# KiCad board PiEEG.kicad_pcb (continued)
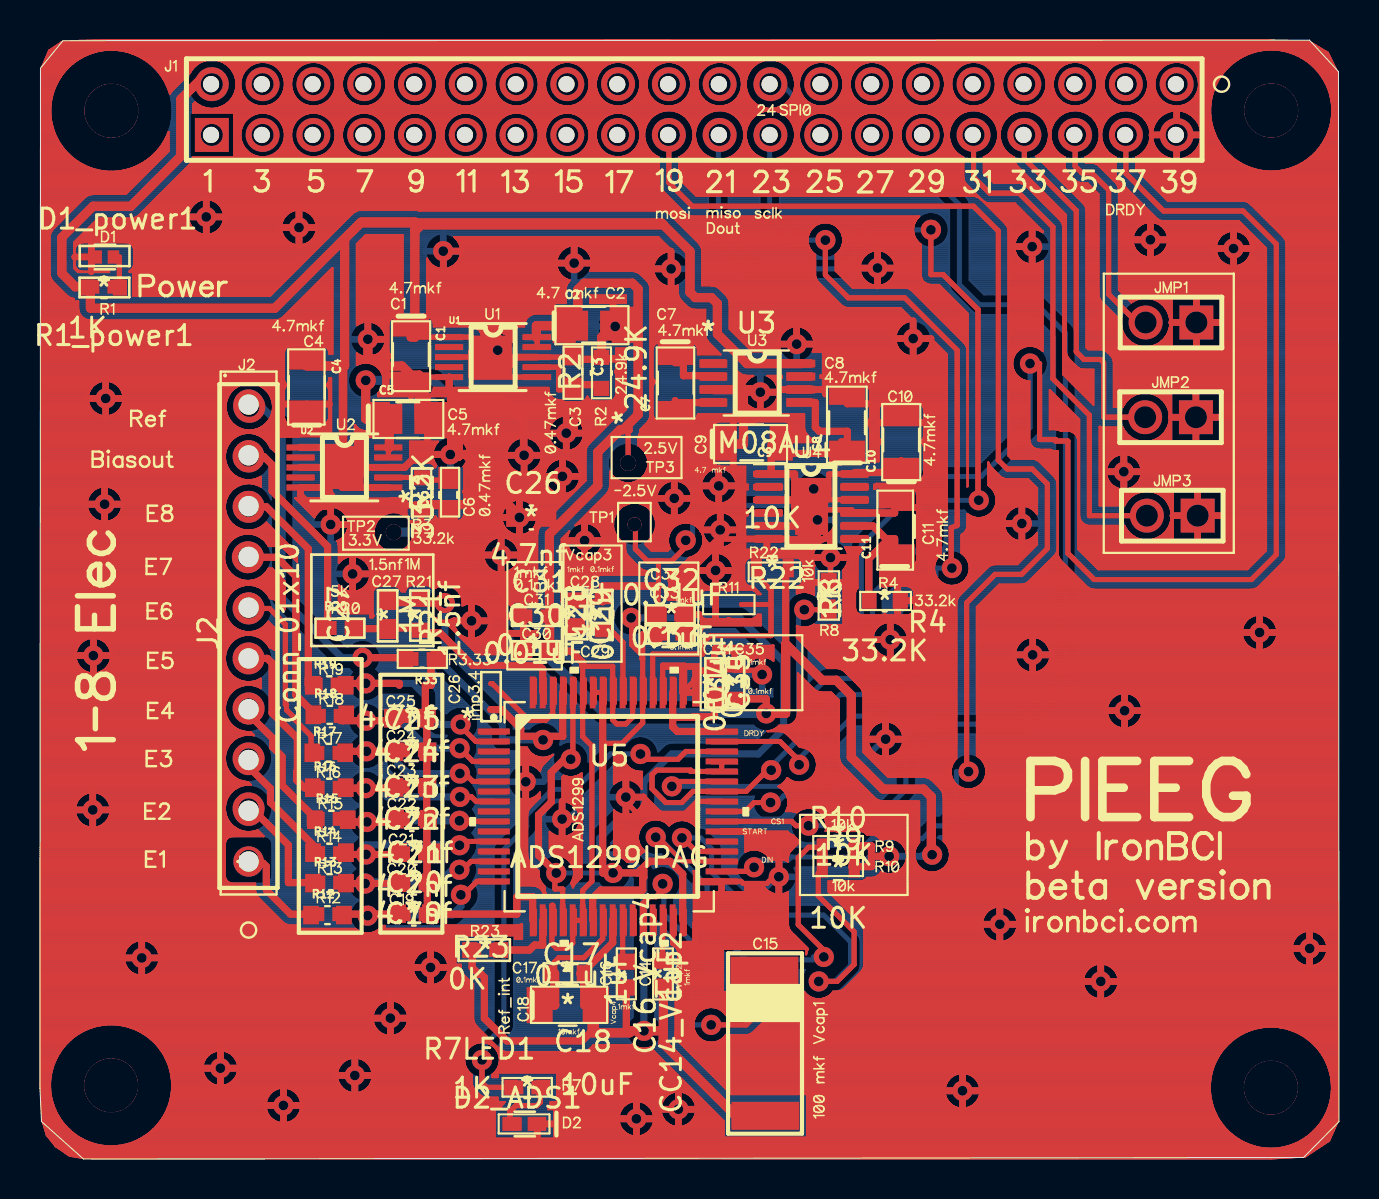
[diagram p0: board, top side]
## Routing (per net, layer and track width the routed paths; a pad name or vN(x,y) marks a point on that pad's centre or on a via; arc(x,y) is an arc through that point) (continued)
52.87,49.77 ; 35.51,30.09 35.57,30.1 ; 35.51,30.09 35.57,30.1 ; 35.51,30.09 35.46,30.07 ; 35.51,30.09 35.46,30.07 ; 35.57,30.1 35.7,30.1 ; 35.57,30.1 35.7,30.1 ; 19.96,31.95 19.92,31.97 ; 19.96,31.95 19.99,31.93 ; 19.96,31.95 19.99,31.93 ; 19.96,31.95 19.92,31.97 ; 19.92,31.97 19.89,32 ; 19.92,31.97 19.89,32 ; 34.24,27.01 33.32,27.01 ; 34.24,27.01 34.29,27.01 ; 34.24,27.01 34.29,27.01 ; 34.24,27.01 33.32,27.01 ; 33.32,27.01 33.28,27.02 ; 33.32,27.01 33.28,27.02 ; 31.04,45.25 31.1,45.29 ; 31.04,45.25 31.1,45.29 ; 31.04,45.25 30.99,45.21 ; 31.04,45.25 30.99,45.21 ; 31.1,45.29 31.16,45.33 ; 31.1,45.29 31.16,45.33 ; 17.57,40.16 17.56,40.18 ; 17.57,40.16 17.56,40.18 ; 17.57,40.16 17.55,40.15 ; 17.57,40.16 17.55,40.15 ; 17.56,40.18 17.52,40.22 ; 17.56,40.18 17.52,40.22 ; 29.57,52.13 29.65,52.07 ; 29.57,52.13 29.49,52.19 ; 29.57,52.13 29.65,52.07 ; 29.57,52.13 29.49,52.19 ; 29.65,52.07 29.72,52 ; 29.65,52.07 29.72,52 ; 2.33,41.99 2.29,42 ; 2.33,41.99 2.29,42 ; 2.33,41.99 2.38,41.97 ; 2.33,41.99 2.38,41.97 ; 2.29,42 2.25,42.02 ; 2.29,42 2.25,42.02 ; 29.84,2.9 29.91,2.9 ; 29.84,2.9 29.91,2.9 ; 29.84,2.9 29.77,2.9 ; 29.84,2.9 29.77,2.9 ; 29.91,2.9 29.98,2.89 ; 29.91,2.9 29.98,2.89 ; 52.43,54.67 52.51,54.61 ; 52.43,54.67 52.35,54.73 ; 52.43,54.67 52.35,54.73 ; 52.43,54.67 52.51,54.61 ; 52.51,54.61 52.58,54.54 ; 52.51,54.61 52.58,54.54 ; 41.41,20.94 41.4,21.01 ; 41.41,20.94 41.4,21.01 ; 41.41,20.94 41.41,20.87 ; 41.41,20.94 41.41,20.87 ; 41.4,21.01 41.41,21.08 ; 41.4,21.01 41.41,21.08 ; 30.64,38.62 30.65,38.68 ; 30.64,38.62 30.64,37.39 ; 30.64,38.62 30.65,38.68 ; 30.64,38.62 30.64,37.39 ; 30.65,38.68 30.67,38.74 ; 30.65,38.68 30.67,38.74 ; 43.62,27.31 43.59,27.28 ; 43.62,27.31 43.59,27.28 ; 43.62,27.31 43.65,27.34 ; 43.62,27.31 43.65,27.34 ; 43.59,27.28 43.56,27.26 ; 43.59,27.28 43.56,27.26 ; 3.51,33.61 3.58,33.58 ; 3.51,33.61 3.45,33.63 ; 3.51,33.61 3.58,33.58 ; 3.51,33.61 3.45,33.63 ; 3.58,33.58 3.64,33.55 ; 3.58,33.58 3.64,33.55 ; 33.9,43.62 33.94,43.59 ; 33.9,43.62 33.94,43.59 ; 33.9,43.62 33.86,43.64 ; 33.9,43.62 33.86,43.64 ; 33.94,43.59 33.98,43.56 ; 33.94,43.59 33.98,43.56 ; 23.2,29.34 23.13,29.33 ; 23.2,29.34 23.27,29.35 ; 23.2,29.34 23.13,29.33 ; 23.2,29.34 23.27,29.35 ; 23.13,29.33 23.06,29.33 ; 23.13,29.33 23.06,29.33 ; 52.65,53.08 52.58,53 ; 52.65,53.08 52.71,53.16 ; 52.65,53.08 52.58,53 ; 52.65,53.08 52.71,53.16 ; 52.58,53 52.51,52.94 ; 52.58,53 52.51,52.94 ; 1.96,42.33 1.94,42.38 ; 1.96,42.33 1.98,42.29 ; 1.96,42.33 1.98,42.29 ; 1.96,42.33 1.94,42.38 ; 1.94,42.38 1.93,42.42 ; 1.94,42.38 1.93,42.42 ; 26.13,17.9 26.2,17.9 ; 26.13,17.9 26.2,17.9 ; 26.13,17.9 26.13,19.11 ; 26.13,17.9 26.13,19.11 ; 26.2,17.9 26.27,17.89 ; 26.2,17.9 26.27,17.89 ; 39.56,31.38 39.51,31.33 ; 39.56,31.38 39.6,31.44 ; 39.56,31.38 39.6,31.44 ; 39.56,31.38 39.51,31.33 ; 39.51,31.33 39.45,31.29 ; 39.51,31.33 39.45,31.29 ; 41.34,14.03 41.29,13.99 ; 41.34,14.03 41.37,14.07 ; 41.34,14.03 41.37,14.07 ; 41.34,14.03 41.29,13.99 ; 41.29,13.99 41.25,13.95 ; 41.29,13.99 41.25,13.95 ; 33.45,32.16 33.51,32.2 ; 33.45,32.16 33.51,32.2 ; 55.55,51.13 55.53,51.03 ; 55.55,51.13 55.55,51.23 ; 55.55,51.13 55.53,51.03 ; 55.55,51.13 55.55,51.23 ; 55.53,51.03 55.51,50.94 ; 55.53,51.03 55.51,50.94 ; 54.78,31.1 54.69,31.15 ; 54.78,31.1 54.69,31.15 ; 54.78,31.1 54.87,31.06 ; 54.78,31.1 54.87,31.06 ; 54.69,31.15 54.61,31.21 ; 54.69,31.15 54.61,31.21 ; 44.15,43.94 44.13,43.98 ; 44.15,43.94 44.18,43.91 ; 44.15,43.94 44.18,43.91 ; 44.15,43.94 44.13,43.98 ; 44.13,43.98 44.11,44.01 ; 44.13,43.98 44.11,44.01 ; 45.59,19.63 45.6,19.68 ; 45.59,19.63 45.57,19.58 ; 45.59,19.63 45.57,19.58 ; 45.59,19.63 45.6,19.68 ; 45.6,19.68 45.62,19.72 ; 45.6,19.68 45.62,19.72 ; 64.08,1.83 63.99,1.71 ; 64.08,1.83 64.16,1.96 ; 64.08,1.83 63.99,1.71 ; 64.08,1.83 64.16,1.96 ; 63.99,1.71 63.89,1.59 ; 63.99,1.71 63.89,1.59 ; 31.58,32.17 31.51,32.19 ; 31.58,32.17 31.65,32.17 ; 31.58,32.17 31.51,32.19 ; 31.58,32.17 31.65,32.17 ; 31.51,32.19 31.44,32.21 ; 31.51,32.19 31.44,32.21 ; 3.53,17.46 3.53,17.46 ; 3.53,17.46 3.53,17.46 ; 3.53,17.46 3.53,17.53 ; 3.53,17.46 3.53,17.53 ; 3.53,17.46 3.53,17.39 ; 3.53,17.46 3.53,17.39 ; 24.41,34.34 24.34,34.33 ; 24.41,34.34 24.34,34.33 ; 24.41,34.34 24.48,34.36 ; 24.41,34.34 24.48,34.36 ; 24.34,34.33 24.27,34.32 ; 24.34,34.33 24.27,34.32 ; 45.02,18.55 45.05,18.52 ; 45.02,18.55 44.67,18.91 ; 45.02,18.55 44.67,18.91 ; 45.02,18.55 45.05,18.52 ; 45.05,18.52 45.08,18.48 ; 45.05,18.52 45.08,18.48 ; 36.33,25.11 36.4,25.09 ; 36.33,25.11 36.26,25.12 ; 36.33,25.11 36.4,25.09 ; 36.33,25.11 36.26,25.12 ; 36.4,25.09 36.47,25.06 ; 36.4,25.09 36.47,25.06 ; 34.8,33.39 34.77,33.33 ; 34.8,33.39 34.77,33.33 ; 34.8,33.39 34.82,33.46 ; 34.8,33.39 34.82,33.46 ; 34.77,33.33 34.74,33.26 ; 34.77,33.33 34.74,33.26 ; 34.01,30.31 34.07,30.29 ; 34.01,30.31 34.07,30.29 ; 25.03,19.48 25.04,19.52 ; 25.03,19.48 25.01,19.41 ; 25.03,19.48 25.04,19.52 ; 25.03,19.48 25.01,19.41 ; 25.04,19.52 25.05,19.56 ; 25.04,19.52 25.05,19.56 ; 16.79,50.28 16.7,50.23 ; 16.79,50.28 16.7,50.23 ; 16.7,50.23 16.61,50.19 ; 16.7,50.23 16.61,50.19 ; 13.17,47.47 13.24,47.45 ; 13.17,47.47 13.24,47.45 ; 13.17,47.47 13.1,47.48 ; 13.17,47.47 13.1,47.48 ; 13.24,47.45 13.3,47.42 ; 13.24,47.45 13.3,47.42 ; 42.56,20.15 42.5,20.14 ; 42.56,20.15 42.63,20.18 ; 42.56,20.15 42.5,20.14 ; 42.56,20.15 42.63,20.18 ; 42.5,20.14 42.43,20.12 ; 42.5,20.14 42.43,20.12 ; 49.42,38.91 49.37,38.92 ; 49.42,38.91 49.37,38.92 ; 49.42,38.91 49.49,38.91 ; 49.42,38.91 49.49,38.91 ; 49.37,38.92 49.32,38.93 ; 49.37,38.92 49.32,38.93 ; 22.91,4.57 22.89,4.52 ; 22.91,4.57 22.93,4.61 ; 22.91,4.57 22.93,4.61 ; 22.91,4.57 22.89,4.52 ; 22.89,4.52 22.87,4.48 ; 22.89,4.52 22.87,4.48 ; 10.7,33.78 10.8,33.75 ; 10.7,33.78 10.6,33.8 ; 10.7,33.78 10.6,33.8 ; 10.7,33.78 10.8,33.75 ; 10.8,33.75 10.89,33.72 ; 10.8,33.75 10.89,33.72 ; 27.48,28.57 27.49,28.57 ; 27.48,28.57 27.49,28.57 ; 27.48,28.57 27.44,28.61 ; 27.48,28.57 27.44,28.61 ; 27.49,28.57 27.54,28.62 ; 27.49,28.57 27.54,28.62 ; 44.06,44.16 44.06,44.2 ; 44.06,44.16 44.06,44.2 ; 44.06,44.16 44.07,44.12 ; 44.06,44.16 44.07,44.12 ; 44.06,44.2 44.05,44.29 ; 44.06,44.2 44.05,44.29 ; 15.17,4.86 15.23,4.91 ; 15.17,4.86 15.12,4.82 ; 15.17,4.86 15.23,4.91 ; 15.17,4.86 15.12,4.82 ; 42.53,26.87 42.6,26.87 ; 42.53,26.87 42.46,26.87 ; 42.53,26.87 42.6,26.87 ; 42.53,26.87 42.46,26.87 ; 42.6,26.87 42.67,26.86 ; 42.6,26.87 42.67,26.86 ; 58.57,52.96 58.6,53.11 ; 58.57,52.96 58.55,52.81 ; 58.57,52.96 58.55,52.81 ; 58.57,52.96 58.6,53.11 ; 58.6,53.11 58.64,53.25 ; 58.6,53.11 58.64,53.25 ; 54.08,35.27 54.15,35.27 ; 54.08,35.27 54.01,35.25 ; 54.08,35.27 54.15,35.27 ; 54.08,35.27 54.01,35.25 ; 54.15,35.27 54.22,35.28 ; 54.15,35.27 54.22,35.28 ; 4.03,55.46 4.18,55.44 ; 4.03,55.46 4.18,55.44 ; 4.03,55.46 3.88,55.48 ; 4.03,55.46 3.88,55.48 ; 4.18,55.44 4.32,55.4 ; 4.18,55.44 4.32,55.4 ; 56.38,31.48 56.32,31.4 ; 56.38,31.48 56.32,31.4 ; 4.56,9.34 4.5,9.39 ; 4.56,9.34 4.62,9.31 ; 4.56,9.34 4.62,9.31 ; 4.56,9.34 4.5,9.39 ; 4.5,9.39 4.45,9.44 ; 4.5,9.39 4.45,9.44 ; 50.58,50.91 50.56,51.01 ; 50.58,50.91 50.61,50.82 ; 50.58,50.91 50.56,51.01 ; 50.58,50.91 50.61,50.82 ; 50.56,51.01 50.55,51.11 ; 50.56,51.01 50.55,51.11 ; 41.54,14.07 41.37,14.07 ; 41.54,14.07 41.63,14.07 ; 41.54,14.07 41.37,14.07 ; 41.54,14.07 41.63,14.07 ; 29.91,33.94 29.66,33.84 ; 29.91,33.94 29.66,33.84 ; 29.66,33.84 29.6,33.82 ; 29.66,33.84 29.6,33.82 ; 32.99,29.05 32.96,29.11 ; 32.99,29.05 32.96,29.11 ; 32.99,29.05 33.03,28.99 ; 32.99,29.05 33.03,28.99 ; 32.96,29.11 32.94,29.18 ; 32.96,29.11 32.94,29.18 ; 34.73,50.24 34.65,50.19 ; 34.73,50.24 34.65,50.19 ; 34.73,50.24 34.81,50.31 ; 34.73,50.24 34.81,50.31 ; 34.65,50.19 34.56,50.14 ; 34.65,50.19 34.56,50.14 ; 31,52.38 31.1,52.41 ; 31,52.38 30.91,52.34 ; 31,52.38 31.1,52.41 ; 31,52.38 30.91,52.34 ; 31.1,52.41 31.19,52.44 ; 31.1,52.41 31.19,52.44 ; 49.87,32.26 49.87,33.56 ; 49.87,32.26 49.87,32.26 ; 49.87,32.26 49.87,32.26 ; 49.87,32.26 49.87,33.56 ; 49.87,33.56 49.42,34.01 ; 49.87,33.56 49.42,34.01 ; 16.29,36.42 16.25,36.42 ; 16.29,36.42 16.25,36.42 ; 16.29,36.42 16.44,36.42 ; 16.29,36.42 16.44,36.42 ; 16.25,36.42 16.2,36.42 ; 16.25,36.42 16.2,36.42 ; 51.61,36.39 51.65,36.38 ; 51.61,36.39 51.65,36.38 ; 51.61,36.39 51.57,36.41 ; 51.61,36.39 51.57,36.41 ; 51.65,36.38 51.68,36.36 ; 51.65,36.38 51.68,36.36 ; 43.79,31.59 43.83,31.55 ; 43.79,31.59 43.75,31.64 ; 43.79,31.59 43.75,31.64 ; 43.79,31.59 43.83,31.55 ; 43.83,31.55 43.85,31.49 ; 43.83,31.55 43.85,31.49 ; 31.8,3.37 31.87,3.38 ; 31.8,3.37 31.87,3.38 ; 31.8,3.37 31.73,3.36 ; 31.8,3.37 31.73,3.36 ; 31.87,3.38 31.94,3.38 ; 31.87,3.38 31.94,3.38 ; 2.05,45.86 2.09,45.86 ; 2.05,45.86 2.09,45.86 ; 2.05,45.86 2.01,45.85 ; 2.05,45.86 2.01,45.85 ; 2.09,45.86 2.17,45.86 ; 2.09,45.86 2.17,45.86 ; 14.14,32.54 14.21,32.57 ; 14.14,32.54 14.21,32.57 ; 14.14,32.54 14.08,32.51 ; 14.14,32.54 14.08,32.51 ; 14.21,32.57 14.27,32.6 ; 14.21,32.57 14.27,32.6 ; 15.89,47.46 15.94,47.47 ; 15.89,47.46 15.85,47.44 ; 15.89,47.46 15.85,47.44 ; 15.89,47.46 15.94,47.47 ; 15.94,47.47 15.99,47.48 ; 15.94,47.47 15.99,47.48 ; 2.5,32.24 2.47,32.3 ; 2.5,32.24 2.47,32.3 ; 2.47,32.3 2.43,32.36 ; 2.47,32.3 2.43,32.36 ; 42.01,14.26 41.98,14.23 ; 42.01,14.26 41.98,14.23 ; 42.01,14.26 42.04,14.3 ; 42.01,14.26 42.04,14.3 ; 41.98,14.23 41.95,14.2 ; 41.98,14.23 41.95,14.2 ; 17.12,28.67 17.75,28.67 ; 17.12,28.67 17.75,28.67 ; 17.12,28.67 16.99,28.67 ; 17.12,28.67 16.99,28.67 ; 17.75,28.67 17.81,28.66 ; 17.75,28.67 17.81,28.66 ; 45.84,27.87 45.85,27.91 ; 45.84,27.87 45.84,27.83 ; 45.84,27.87 45.84,27.83 ; 45.84,27.87 45.85,27.91 ; 57.13,52.44 57.21,52.42 ; 57.13,52.44 57.21,52.42 ; 56.22,46.56 56.27,46.51 ; 56.22,46.56 56.27,46.51 ; 56.22,46.56 56.18,46.62 ; 56.22,46.56 56.18,46.62 ; 56.27,46.51 56.31,46.45 ; 56.27,46.51 56.31,46.45 ; 22.17,27.6 22.22,27.55 ; 22.17,27.6 22.12,27.64 ; 22.17,27.6 22.22,27.55 ; 22.17,27.6 22.12,27.64 ; 22.22,27.55 22.27,27.5 ; 22.22,27.55 22.27,27.5 ; 2.71,48.28 4.29,48.28 ; 2.71,48.28 4.29,48.28 ; 2.71,48.28 2.61,48.28 ; 2.71,48.28 2.61,48.28 ; 4.29,48.28 6.43,50.42 ; 4.29,48.28 6.43,50.42 ; 34.74,28.48 35.57,28.48 ; 34.74,28.48 34.61,28.48 ; 34.74,28.48 35.57,28.48 ; 34.74,28.48 34.61,28.48 ; 35.57,28.48 35.63,28.47 ; 35.57,28.48 35.63,28.47 ; 45.56,2.74 45.51,2.79 ; 45.56,2.74 45.61,2.7 ; 45.56,2.74 45.51,2.79 ; 45.56,2.74 45.61,2.7 ; 45.51,2.79 45.46,2.84 ; 45.51,2.79 45.46,2.84 ; 33.82,34.7 33.78,34.72 ; 33.82,34.7 33.85,34.68 ; 33.82,34.7 33.78,34.72 ; 33.82,34.7 33.85,34.68 ; 33.78,34.72 33.75,34.75 ; 33.78,34.72 33.75,34.75 ; 27.03,30.07 26.97,30.09 ; 27.03,30.07 26.97,30.09 ; 32.97,54.21 33.01,54.3 ; 32.97,54.21 32.94,54.12 ; 32.97,54.21 33.01,54.3 ; 32.97,54.21 32.94,54.12 ; 33.01,54.3 33.07,54.39 ; 33.01,54.3 33.07,54.39 ; 45.56,19.28 45.55,19.33 ; 45.56,19.28 45.57,19.23 ; 45.56,19.28 45.55,19.33 ; 45.56,19.28 45.57,19.23 ; 18.27,28.45 18.29,28.5 ; 18.27,28.45 18.25,28.4 ; 18.27,28.45 18.25,28.4 ; 18.27,28.45 18.29,28.5 ; 18.29,28.5 18.32,28.55 ; 18.29,28.5 18.32,28.55 ; 34.35,28.46 34.39,28.45 ; 34.35,28.46 34.39,28.45 ; 34.35,28.46 34.31,28.47 ; 34.35,28.46 34.31,28.47 ; 34.39,28.45 34.43,28.43 ; 34.39,28.45 34.43,28.43 ; 0.52,52.45 0.52,52.6 ; 0.52,52.45 0.52,52.6 ; 2.9,33.59 2.96,33.61 ; 2.9,33.59 2.96,33.61 ; 2.96,33.61 3.03,33.63 ; 2.96,33.61 3.03,33.63 ; 32.78,2.76 32.8,2.69 ; 32.78,2.76 32.8,2.69 ; 32.78,2.76 32.76,2.83 ; 32.78,2.76 32.76,2.83 ; 32.8,2.69 32.82,2.63 ; 32.8,2.69 32.82,2.63 ; 28.8,31.22 28.69,31.5 ; 28.8,31.22 28.69,31.5 ; 38,30.04 38.05,30 ; 38,30.04 38.05,30 ; 38,30.04 37.95,30.07 ; 38,30.04 37.95,30.07 ; 38.05,30 38.1,29.96 ; 38.05,30 38.1,29.96 ; 34.19,52.68 34.1,52.66 ; 34.19,52.68 34.1,52.66 ; 32.03,54.73 32.11,54.67 ; 32.03,54.73 31.94,54.78 ; 32.03,54.73 32.11,54.67 ; 32.03,54.73 31.94,54.78 ; 43.5,52.87 43.42,52.94 ; 43.5,52.87 43.58,52.82 ; 43.5,52.87 43.58,52.82 ; 43.5,52.87 43.42,52.94 ; 43.42,52.94 43.35,53 ; 43.42,52.94 43.35,53 ; 38.54,17.56 38.59,17.56 ; 38.54,17.56 38.59,17.56 ; 38.54,17.56 38.49,17.57 ; 38.54,17.56 38.49,17.57 ; 38.59,17.56 38.64,17.55 ; 38.59,17.56 38.64,17.55 ; 16.39,39.84 16.44,39.83 ; 16.39,39.84 16.44,39.83 ; 16.44,39.83 16.49,39.83 ; 16.44,39.83 16.49,39.83 ; 23.14,31.11 23.21,31.1 ; 23.14,31.11 23.07,31.11 ; 23.14,31.11 23.07,31.11 ; 23.14,31.11 23.21,31.1 ; 23.21,31.1 23.28,31.09 ; 23.21,31.1 23.28,31.09 ; 53.69,40 53.7,39.96 ; 53.69,40 53.67,40.04 ; 53.69,40 53.7,39.96 ; 53.69,40 53.67,40.04 ; 53.7,39.96 53.71,39.92 ; 53.7,39.96 53.71,39.92 ; 40.26,29.57 40.22,29.51 ; 40.26,29.57 40.22,29.51 ; 40.26,29.57 40.3,29.62 ; 40.26,29.57 40.3,29.62 ; 40.22,29.51 40.19,29.48 ; 40.22,29.51 40.19,29.48 ; 31.52,33.92 31.59,33.94 ; 31.52,33.92 31.46,33.9 ; 31.52,33.92 31.59,33.94 ; 31.52,33.92 31.46,33.9 ; 31.59,33.94 31.66,33.94 ; 31.59,33.94 31.66,33.94 ; 35.2,50.99 35.18,50.89 ; 35.2,50.99 35.22,51.08 ; 35.2,50.99 35.18,50.89 ; 35.2,50.99 35.22,51.08 ; 35.18,50.89 35.15,50.79 ; 35.18,50.89 35.15,50.79 ; 53.95,8.87 53.95,8.81 ; 53.95,8.87 53.95,8.89 ; 53.95,8.87 53.95,8.81 ; 53.95,8.87 53.95,8.89 ; 53.95,8.81 53.94,8.74 ; 53.95,8.81 53.94,8.74 ; 22.98,5.16 22.99,5.11 ; 22.98,5.16 22.97,5.21 ; 22.98,5.16 22.99,5.11 ; 22.98,5.16 22.97,5.21 ; 22.99,5.11 23,5.06 ; 22.99,5.11 23,5.06 ; 28.82,39.22 28.82,39.09 ; 28.82,39.22 28.81,39.28 ; 28.82,39.22 28.82,39.09 ; 28.82,39.22 28.81,39.28 ; 28.82,39.09 28.82,38.26 ; 28.82,39.09 28.82,38.26 ; 49.72,52.77 49.63,52.73 ; 49.72,52.77 49.81,52.82 ; 49.72,52.77 49.63,52.73 ; 49.72,52.77 49.81,52.82 ; 49.63,52.73 49.53,52.7 ; 49.63,52.73 49.53,52.7 ; 14.11,34.04 14.11,33.06 ; 14.11,34.04 14.56,34.04 ; 14.11,34.04 14.56,34.04 ; 14.11,34.04 14.11,33.06 ; 9.53,36.91 9.47,37 ; 9.53,36.91 9.47,37 ; 9.47,37 9.42,37.08 ; 9.47,37 9.42,37.08 ; 26.95,50.28 26.86,50.23 ; 26.95,50.28 27.03,50.33 ; 26.95,50.28 26.86,50.23 ; 26.95,50.28 27.03,50.33 ; 26.86,50.23 26.77,50.19 ; 26.86,50.23 26.77,50.19 ; 46.17,28.87 46.21,28.9 ; 46.17,28.87 46.21,28.9 ; 26.12,15.15 26.16,15.13 ; 26.12,15.15 26.16,15.13 ; 26.12,15.15 26.07,15.17 ; 26.12,15.15 26.07,15.17 ; 26.16,15.13 26.21,15.11 ; 26.16,15.13 26.21,15.11 ; 21.18,26.13 21.12,26.16 ; 21.18,26.13 21.12,26.16 ; 21.18,26.13 21.25,26.1 ; 21.18,26.13 21.25,26.1 ; 21.12,26.16 21.06,26.2 ; 21.12,26.16 21.06,26.2 ; 41.06,16.41 41.12,16.4 ; 41.06,16.41 41.12,16.4 ; 41.06,16.41 40.13,16.41 ; 41.06,16.41 40.13,16.41 ; 41.12,16.4 41.18,16.38 ; 41.12,16.4 41.18,16.38 ; 33.1,27.1 33.07,27.13 ; 33.1,27.1 33.13,27.08 ; 33.1,27.1 33.13,27.08 ; 33.1,27.1 33.07,27.13 ; 33.07,27.13 33.04,27.16 ; 33.07,27.13 33.04,27.16 ; 40.74,50.54 40.69,50.62 ; 40.74,50.54 40.69,50.62 ; 20.2,26.93 20.15,26.93 ; 20.2,26.93 20.15,26.93 ; 20.2,26.93 20.25,26.92 ; 20.2,26.93 20.25,26.92 ; 20.15,26.93 20.1,26.94 ; 20.15,26.93 20.1,26.94 ; 27.02,34.15 27.02,34.14 ; 27.02,34.15 27.02,34.22 ; 27.02,34.15 27.02,34.22 ; 27.02,34.15 27.02,34.14 ; 27.02,34.14 27.02,34.07 ; 27.02,34.14 27.02,34.07 ; 42.67,26.86 42.74,26.85 ; 42.67,26.86 42.74,26.85 ; 32.3,52.13 32.37,52.06 ; 32.3,52.13 32.23,52.2 ; 32.3,52.13 32.37,52.06 ; 32.3,52.13 32.23,52.2 ; 32.37,52.06 32.44,51.98 ; 32.37,52.06 32.44,51.98 ; 35.79,27.1 35.75,27.07 ; 35.79,27.1 35.75,27.07 ; 35.79,27.1 35.84,27.15 ; 35.79,27.1 35.84,27.15 ; 35.75,27.07 35.69,27.04 ; 35.75,27.07 35.69,27.04 ; 57.26,50.07 57.18,50.04 ; 57.26,50.07 57.18,50.04 ; 57.26,50.07 57.33,50.1 ; 57.26,50.07 57.33,50.1 ; 57.18,50.04 57.1,50.02 ; 57.18,50.04 57.1,50.02 ; 35.74,54.72 35.82,54.78 ; 35.74,54.72 35.67,54.65 ; 35.74,54.72 35.82,54.78 ; 35.74,54.72 35.67,54.65 ; 35.82,54.78 35.9,54.83 ; 35.82,54.78 35.9,54.83 ; 37.97,15.92 37.93,15.95 ; 37.97,15.92 37.93,15.95 ; 37.97,15.92 38.02,15.89 ; 37.97,15.92 38.02,15.89 ; 37.93,15.95 37.89,15.98 ; 37.93,15.95 37.89,15.98 ; 13.05,2.88 13.06,2.82 ; 13.05,2.88 13.03,2.95 ; 13.05,2.88 13.06,2.82 ; 13.05,2.88 13.03,2.95 ; 13.06,2.82 13.07,2.75 ; 13.06,2.82 13.07,2.75 ; 33.3,30.96 33.26,31.01 ; 33.3,30.96 33.34,30.9 ; 33.3,30.96 33.34,30.9 ; 33.3,30.96 33.26,31.01 ; 33.26,31.01 33.23,31.08 ; 33.26,31.01 33.23,31.08 ; 41.46,38.63 41.48,38.6 ; 41.46,38.63 41.43,38.67 ; 41.46,38.63 41.48,38.6 ; 41.46,38.63 41.43,38.67 ; 41.48,38.6 41.49,38.56 ; 41.48,38.6 41.49,38.56 ; 37.91,22.29 37.91,22.24 ; 37.91,22.29 37.91,22.24 ; 37.91,22.29 37.91,24.3 ; 37.91,22.29 37.91,24.3 ; 37.91,22.24 37.9,22.2 ; 37.91,22.24 37.9,22.2 ; 21.22,9.18 21.19,9.22 ; 21.22,9.18 21.52,8.89 ; 21.22,9.18 21.52,8.89 ; 21.22,9.18 21.19,9.22 ; 21.19,9.22 21.16,9.25 ; 21.19,9.22 21.16,9.25 ; 23.64,29.53 23.58,29.49 ; 23.64,29.53 23.58,29.49 ; 23.64,29.53 23.69,29.58 ; 23.64,29.53 23.69,29.58 ; 23.58,29.49 23.52,29.45 ; 23.58,29.49 23.52,29.45 ; 32.78,2.21 32.75,2.14 ; 32.78,2.21 32.8,2.27 ; 32.78,2.21 32.8,2.27 ; 32.78,2.21 32.75,2.14 ; 32.75,2.14 32.72,2.08 ; 32.75,2.14 32.72,2.08 ; 26.43,28.7 26.49,28.7 ; 26.43,28.7 26.37,28.68 ; 26.43,28.7 26.49,28.7 ; 26.43,28.7 26.37,28.68 ; 26.49,28.7 27.22,28.7 ; 26.49,28.7 27.22,28.7 ; 29.42,1.22 29.36,1.26 ; 29.42,1.22 29.36,1.26 ; 29.42,1.22 29.48,1.19 ; 29.42,1.22 29.48,1.19 ; 29.36,1.26 29.3,1.3 ; 29.36,1.26 29.3,1.3 ; 14.88,30.92 14.9,30.87 ; 14.88,30.92 14.88,30.92 ; 14.88,30.92 14.88,30.92 ; 14.88,30.92 14.9,30.87 ; 38.77,44.19 38.77,44.28 ; 38.77,44.19 38.78,44.15 ; 38.77,44.19 38.77,44.28 ; 38.77,44.19 38.78,44.15 ; 38.77,44.28 38.77,45.24 ; 38.77,44.28 38.77,45.24 ; 42.23,21.89 42.16,21.89 ; 42.23,21.89 42.16,21.89 ; 37.73,18.87 37.68,18.88 ; 37.73,18.87 37.68,18.88 ; 37.73,18.87 37.77,18.86 ; 37.73,18.87 37.77,18.86 ; 37.68,18.88 37.63,18.9 ; 37.68,18.88 37.63,18.9 ; 25.85,35.56 25.79,35.6 ; 25.85,35.56 25.79,35.6 ; 25.85,35.56 25.91,35.52 ; 25.85,35.56 25.91,35.52 ; 25.79,35.6 25.74,35.64 ; 25.79,35.6 25.74,35.64 ; 56.39,46.26 56.41,46.19 ; 56.39,46.26 56.37,46.32 ; 56.39,46.26 56.37,46.32 ; 56.39,46.26 56.41,46.19 ; 56.41,46.19 56.42,46.12 ; 56.41,46.19 56.42,46.12 ; 63.32,6.07 63.44,5.99 ; 63.32,6.07 63.19,6.16 ; 63.32,6.07 63.44,5.99 ; 63.32,6.07 63.19,6.16 ; 63.44,5.99 63.55,5.89 ; 63.44,5.99 63.55,5.89 ; 32.05,31.81 32.1,31.82 ; 32.05,31.81 32,31.79 ; 32.05,31.81 32,31.79 ; 32.05,31.81 32.1,31.82 ; 32.1,31.82 32.15,31.83 ; 32.1,31.82 32.15,31.83 ; 2.47,26.06 2.54,26.07 ; 2.47,26.06 2.54,26.07 ; 2.47,26.06 2.4,26.04 ; 2.47,26.06 2.4,26.04 ; 2.54,26.07 2.61,26.08 ; 2.54,26.07 2.61,26.08 ; 7.92,47.93 7.98,47.96 ; 7.92,47.93 7.86,47.9 ; 7.92,47.93 7.86,47.9 ; 7.92,47.93 7.98,47.96 ; 7.98,47.96 8.05,47.98 ; 7.98,47.96 8.05,47.98 ; 22.55,30.95 22.61,30.98 ; 22.55,30.95 22.49,30.9 ; 22.55,30.95 22.49,30.9 ; 22.55,30.95 22.61,30.98 ; 22.61,30.98 22.67,31.02 ; 22.61,30.98 22.67,31.02 ; 39.34,31.21 39.28,31.17 ; 39.34,31.21 39.4,31.24 ; 39.34,31.21 39.28,31.17 ; 39.34,31.21 39.4,31.24 ; 39.28,31.17 39.21,31.14 ; 39.28,31.17 39.21,31.14 ; 2.61,38.63 2.66,38.68 ; 2.61,38.63 2.57,38.58 ; 2.61,38.63 2.57,38.58 ; 2.61,38.63 2.66,38.68 ; 2.66,38.68 2.71,38.73 ; 2.66,38.68 2.71,38.73 ; 30.43,50.55 30.38,50.63 ; 30.43,50.55 30.49,50.47 ; 30.43,50.55 30.49,50.47 ; 30.43,50.55 30.38,50.63 ; 30.38,50.63 30.33,50.72 ; 30.38,50.63 30.33,50.72 ; 20.74,26.65 20.72,26.71 ; 20.74,26.65 20.76,26.58 ; 20.74,26.65 20.76,26.58 ; 20.74,26.65 20.72,26.71 ; 20.72,26.71 20.71,26.78 ; 20.72,26.71 20.71,26.78 ; 10.11,28.96 10.01,28.99 ; 10.11,28.96 10.21,28.94 ; 10.11,28.96 10.01,28.99 ; 10.11,28.96 10.21,28.94 ; 10.01,28.99 9.92,29.02 ; 10.01,28.99 9.92,29.02 ; 9.59,34.31 9.52,34.39 ; 9.59,34.31 9.52,34.39 ; 9.59,34.31 9.66,34.25 ; 9.59,34.31 9.66,34.25 ; 9.52,34.39 9.46,34.47 ; 9.52,34.39 9.46,34.47 ; 18.2,6.46 18.15,6.41 ; 18.2,6.46 18.15,6.41 ; 18.2,6.46 18.24,6.52 ; 18.2,6.46 18.24,6.52 ; 18.15,6.41 18.1,6.36 ; 18.15,6.41 18.1,6.36 ; 32.83,2.48 32.82,2.41 ; 32.83,2.48 32.83,2.49 ; 32.83,2.48 32.83,2.49 ; 32.83,2.48 32.82,2.41 ; 32.82,2.41 32.81,2.34 ; 32.82,2.41 32.81,2.34 ; 29.94,50.8 29.9,50.71 ; 29.94,50.8 29.9,50.71 ; 29.94,50.8 29.97,50.89 ; 29.94,50.8 29.97,50.89 ; 29.9,50.71 29.85,50.62 ; 29.9,50.71 29.85,50.62 ; 54.22,54.88 54.32,54.89 ; 54.22,54.88 54.12,54.87 ; 54.22,54.88 54.32,54.89 ; 54.22,54.88 54.12,54.87 ; 54.32,54.89 54.42,54.88 ; 54.32,54.89 54.42,54.88 ; 39.92,24.56 39.97,24.55 ; 39.92,24.56 39.87,24.56 ; 39.92,24.56 39.87,24.56 